# Altium PCB PexCardVer0.1.PcbDoc (part 2 of 3) (continued)
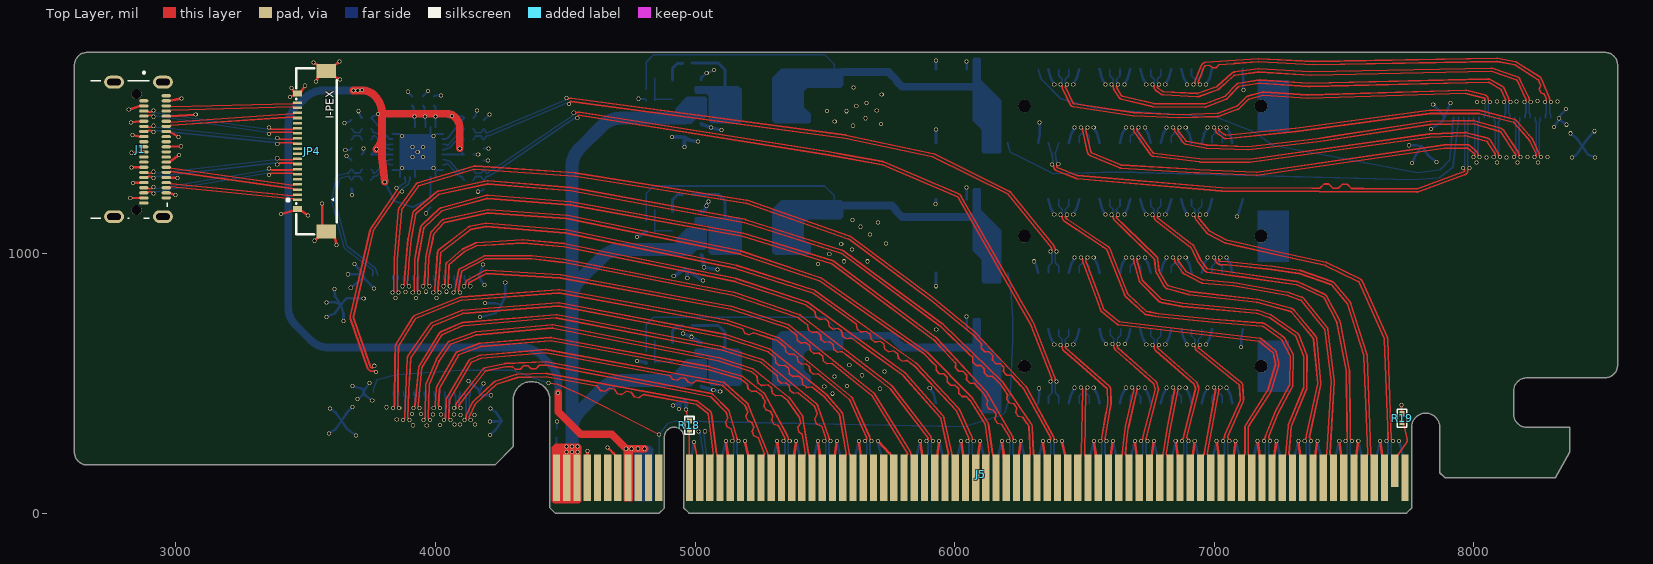
[diagram p0: Top Layer view]
## Nets (pads, with @x,y where several pads share a name; then routed paths per layer and width w, separated by ;. In a path a pad name is that pad's centre, name@x,y a point inside that pad or via, vN(x,y) a via of type N, cw(c..) or ccw(c..) an arc to the next point about the centre after c; other vN are vias at no path point) (continued)
  Bottom Layer w6.38: v1(4072.56,405.56) 4072.56,407.97 4078.57,413.98 4078.57,434.89 ; JP3.4@4074.95,466.5 4074.95,453.7 4078.61,450.06 4078.61,434.92 ; v1(5167.82,278.59) 5167.82,276.19 5161.8,270.17 5161.8,225.57 5175.3,212.08 J5.A17@5175.3,136.08
RX0_P: J5.A16 JP3.3 | length 1507.9
  Top Layer w6.38: v1(4096.96,405.31) 4092.83,409.55 cw(c4097.42,413.98) 4091.05,413.64 cw(c4097.42,413.98) 4091.04,414.05 cw(c4097.42,413.98) 4092.38,417.9 4193.05,547.25 4268.73,563.89 cw(c4270.1,557.66) 4269.8,564.03 4277.74,564.36 4295.72,565.1 4308.68,553.15 4326.67,553.89 4338.61,566.85 4356.59,567.59 4369.56,555.65 4387.54,556.39 4399.48,569.35 4416,570.03 4419.62,570.17 4425.27,570.41 4983.21,463.3 5060.47,448.47 5118.94,389.83 cw(c5114.42,385.32) 5120.53,387.15 5121.48,383.93 5126.52,366.65 5117.75,350.65 5122.79,333.37 5138.79,324.6 5145.98,299.99 5149.17,289.06 cw(c5143.04,287.27) 5147.57,282.77 v1(5143.41,278.59)
  Bottom Layer w6.38: 4090.95,429.76 4090.95,413.73 4096.96,407.72 v1(4096.96,405.31) ; 4090.99,429.8 4090.99,450.06 4094.64,453.7 JP3.3@4094.64,466.5 ; J5.A16@5135.93,136.08 5135.93,212.08 5149.42,225.57 5149.42,270.17 5143.41,276.19 v1(5143.41,278.59)
RX1_N: J5.A22 JP3.8 | length 1891.6
  Top Layer w6.38: v1(3993.82,405.56) 3998.01,409.69 ccw(c3993.54,414.24) 3999.92,414.17 ; 3999.92,414.21 cw(c4012.3,414.05) 3999.92,414.27 cw(c4018.68,413.98) 3999.95,415.04 4003.56,479.14 cw(c4022.3,478.18) 4005.95,487.38 4078.31,615.82 cw(c4089.1,609.75) 4084.7,621.32 4168.78,653.25 cw(c4175.44,635.72) 4173.75,654.4 cw(c4174.9,642.07) 4173.9,654.41 4443.2,676.26 cw(c4444.72,657.56) 4447.86,676.06 cw(c4445.83,663.85) 4448.07,676.02 5053.5,564.67 5054.41,564.5 5181.55,527.88 5184.39,525.69 5263.67,464.32 cw(c5252.18,449.48) 5268.6,458.57 cw(c5257.78,452.54) 5268.67,458.43 5356.4,296.19 cw(c5339.89,287.27) 5358.65,287.27 ccw(c5365.03,287.27) 5360.51,282.77 v1(5364.67,278.59)
  Bottom Layer w6.38: v1(3993.82,405.56) 3993.82,407.97 3999.83,413.98 3999.83,434.89 3999.86,450.06 3996.22,453.7 JP3.8@3996.22,466.5 ; v1(5364.67,278.59) 5364.67,276.19 5358.65,270.17 5358.65,225.57 5372.15,212.08 J5.A22@5372.15,136.08
RX1_P: J5.A21 JP3.7 | length 1883.2
  Top Layer w6.38: v1(4018.22,405.31) 4014.09,409.55 cw(c4018.68,413.98) 4012.3,414.05 cw(c4018.68,413.98) 4012.31,414.34 4015.92,478.48 cw(c4022.3,478.18) 4016.73,481.3 4089.1,609.75 4173.18,641.68 cw(c4175.44,635.72) 4174.9,642.07 4444.2,663.92 cw(c4444.72,657.56) 4445.83,663.85 5050.66,552.61 5051.57,552.44 5175.85,516.64 5178.69,514.45 5187.69,507.48 5201.92,496.46 5204.1,479.39 5218.33,468.37 5235.4,470.55 5251.08,458.4 5256.09,454.53 cw(c5252.18,449.48) 5257.78,452.54 5261.56,445.55 5270.13,429.72 5265.21,413.24 5273.78,397.4 5290.25,392.49 5299.67,375.08 5294.76,358.6 5303.32,342.77 5319.8,337.85 5340.94,298.75 5345.51,290.3 cw(c5339.89,287.27) 5344.42,282.77 v1(5340.26,278.59)
  Bottom Layer w6.38: 4012.21,429.76 4012.21,413.73 4018.22,407.72 v1(4018.22,405.31) ; 4012.24,429.8 4012.24,450.06 4015.89,453.7 JP3.7@4015.89,466.5 ; J5.A21@5332.78,136.08 5332.78,212.08 5346.27,225.57 5346.27,270.17 5340.26,276.19 v1(5340.26,278.59)
RX2_N: J5.A26 JP3.12 | length 2226.1
  Top Layer w6.38: v1(3915.08,405.56) v1@3919.27,409.69 ; v1@3919.28,409.7 ccw(c3914.8,414.24) 3921.18,414.17 ; 3921.18,414.21 cw(c3933.56,414.05) 3921.18,414.27 cw(c3939.94,413.98) 3921.27,415.85 3935.81,561.37 cw(c3948.13,560.15) 3937.54,566.56 cw(c3948.13,560.15) 3937.56,566.6 4014.72,692.81 cw(c4025.29,686.35) 4019.75,697.43 cw(c4025.29,686.35) 4020.29,697.68 4100.06,732.9 cw(c4107.64,715.73) 4105.83,734.41 cw(c4107.07,722.09) 4106.04,734.43 4464.14,764.25 cw(c4465.7,745.56) 4469,764.03 cw(c4466.87,751.83) 4469.22,763.99 5108.03,640.21 cw(c5104.46,621.79) 5109.92,639.74 cw(c5106.35,627.89) 5110.1,639.69 5256.61,593.14 cw(c5250.93,575.26) 5262.66,589.91 cw(c5254.95,580.22) 5262.81,589.78 5467.59,421.38 cw(c5455.67,406.89) 5473.29,413.35 cw(c5461.68,409.04) 5473.37,413.11 5515.09,293.45 cw(c5497.37,287.27) 5516.13,287.27 ccw(c5522.51,287.27) 5517.99,282.77 v1(5522.15,278.59)
  Bottom Layer w6.38: v1(3915.08,405.56) 3915.08,407.97 3921.09,413.98 3921.09,434.89 3921.12,450.06 3917.47,453.7 JP3.12@3917.47,466.5 ; v1(5522.15,278.59) 5522.15,276.19 5516.13,270.17 5516.13,225.57 5529.63,212.08 J5.A26@5529.63,136.08
RX2_P: J5.A25 JP3.11 | length 2221.7
  Top Layer w6.38: v1(3939.48,405.31) 3935.35,409.55 cw(c3939.94,413.98) 3933.56,414.05 cw(c3939.94,413.98) 3933.59,414.62 3948.13,560.15 4025.29,686.35 4105.06,721.57 cw(c4107.64,715.73) 4107.07,722.09 4465.17,751.92 cw(c4465.7,745.56) 4466.87,751.83 5105.68,628.06 cw(c5104.46,621.79) 5106.35,627.89 5252.86,581.35 cw(c5250.93,575.26) 5254.95,580.22 5302.64,541 5316.54,529.56 5318.25,512.07 5332.15,500.64 5349.65,502.34 5363.55,490.91 5365.26,473.41 5379.16,461.98 5396.65,463.68 5436.86,430.62 5459.73,411.81 cw(c5455.67,406.89) 5461.68,409.04 5464.99,399.53 5470.92,382.53 5460.9,361.8 5466.83,344.8 5487.57,334.78 5499.21,301.38 5503.4,289.37 cw(c5497.37,287.27) 5501.9,282.77 v1(5497.74,278.59)
  Bottom Layer w6.38: 3933.47,429.76 3933.47,413.73 3939.48,407.72 v1(3939.48,405.31) ; 3933.51,429.8 3933.51,450.06 3937.16,453.7 JP3.11@3937.16,466.5 ; J5.A25@5490.26,136.08 5490.26,212.08 5503.75,225.57 5503.75,270.17 5497.74,276.19 v1(5497.74,278.59)
RX3_N: J5.A30 JP3.16 | length 2582.5
  Top Layer w6.38: v1(3836.34,405.56) 3840.53,409.69 ccw(c3836.06,414.24) 3842.44,414.16 ; 3842.44,414.18 3844.35,594.16 cw(c3856.73,594.01) 3844.36,594.3 ; 3844.36,594.33 3845.58,640.59 cw(c3864.34,640.13) 3848.33,649.92 3912.36,754.66 cw(c3928.37,744.87) 3921.25,762.23 cw(c3925.98,750.79) 3921.4,762.29 4094.56,831.15 cw(c4101.49,813.71) 4099.85,832.4 cw(c4100.98,820.07) 4100.06,832.42 4474.3,860.28 cw(c4475.7,841.57) 4478.84,860.06 cw(c4476.8,847.85) 4479.02,860.03 5126.78,742.25 cw(c5123.43,723.79) 5129.28,741.62 cw(c5125.46,729.84) 5129.5,741.54 5321.95,675.07 cw(c5315.87,657.32) 5327.6,671.96 cw(c5319.88,662.28) 5327.71,671.87 5602.77,447.25 cw(c5590.91,432.72) 5607.98,440.5 cw(c5596.73,435.33) 5608.06,440.31 5672.03,294.82 cw(c5654.86,287.27) 5673.62,287.27 ccw(c5680,287.27) 5675.47,282.77 v1(5679.63,278.59)
  Bottom Layer w6.38: v1(3836.34,405.56) 3836.34,407.97 3842.35,413.98 3842.35,434.89 ; JP3.16@3838.74,466.5 3838.74,453.7 3842.39,450.06 3842.39,434.92 ; v1(5679.63,278.59) 5679.63,276.19 5673.62,270.17 5673.62,225.57 5687.11,212.08 J5.A30@5687.11,136.08
RX3_P: J5.A29 JP3.15 | length 2585
  Top Layer w6.38: 3854.82,414.07 ccw(c3861.2,413.98) 3856.61,409.55 v1(3860.74,405.31) ; 3854.82,414.09 3855.9,516.04 3856.73,594 3857.96,640.27 cw(c3864.34,640.13) 3858.89,643.46 3922.93,748.2 cw(c3928.37,744.87) 3925.98,750.79 4099.1,819.63 cw(c4101.49,813.71) 4100.98,820.07 4475.22,847.93 cw(c4475.7,841.57) 4476.8,847.85 5124.57,730.07 cw(c5123.43,723.79) 5125.46,729.84 5166.05,715.82 5183.06,709.94 5191.26,693.09 5208.27,687.22 5225.12,695.41 5291.2,672.59 5317.95,663.35 cw(c5315.87,657.32) 5319.88,662.28 5333.82,650.9 5347.76,639.51 5349.48,622.5 5363.42,611.12 5380.43,612.84 5394.37,601.45 5396.09,584.44 5410.03,573.05 5427.04,574.77 5440.99,563.39 5442.7,546.38 5456.64,534.99 5473.65,536.71 5493.61,520.42 5594.97,437.64 ; 5594.98,437.64 cw(c5590.91,432.72) 5596.73,435.33 5660.7,289.84 cw(c5654.86,287.27) 5659.38,282.77 v1(5655.22,278.59)
  Bottom Layer w6.38: 3854.73,429.76 3854.73,413.73 3860.74,407.72 v1(3860.74,405.31) ; 3854.76,429.8 3854.76,450.06 3858.41,453.7 JP3.15@3858.41,466.5 ; J5.A29@5647.74,136.08 5647.74,212.08 5661.24,225.57 5661.24,270.17 5655.22,276.19 v1(5655.22,278.59)
RX4_N: J5.A36 JP2.4 | length 2376.9
  Top Layer w6.38: v1(4070.49,850) 4074.64,854.18 ccw(c4070.12,858.68) 4076.5,858.68 cw(c4095.26,858.68) 4076.77,861.87 4089.12,933.23 cw(c4101.32,931.12) 4095.53,942.06 4186.56,990.18 cw(c4192.35,979.23) 4192.35,991.61 4371.09,991.61 ; 4371.14,991.61 cw(c4371.14,979.23) 4372.53,991.53 4461.2,981.5 4492.82,977.93 cw(c4491.38,965.63) 4493.69,977.79 ; 4493.74,977.79 5146.97,851.22 cw(c5143.4,832.8) 5149.21,850.64 cw(c5145.42,838.86) 5149.43,850.57 5402,764.04 cw(c5395.98,746.27) 5407.2,761.3 cw(c5399.84,751.35) 5407.41,761.15 5758.2,489.95 cw(c5746.68,475.15) 5761.35,486.83 cw(c5751.7,479.08) 5761.52,486.63 5905.95,298.7 cw(c5891.08,287.27) 5909.84,287.27 ccw(c5916.22,287.27) 5911.69,282.77 v1(5915.85,278.59)
  Bottom Layer w6.38: v1(4070.49,850) 4070.49,852.41 4076.5,858.42 4076.5,897.55 4072.85,901.21 JP2.4@4072.85,914 ; v1(5915.85,278.59) 5915.85,276.19 5909.84,270.17 5909.84,225.57 5923.33,212.08 J5.A36@5923.33,136.08
RX4_P: J5.A35 JP2.3 | length 2370
  Top Layer w6.38: v1(4094.89,850) 4090.72,854.19 cw(c4095.26,858.68) 4088.97,859.76 4101.32,931.12 4192.35,979.23 4371.14,979.23 4460.43,969.13 4491.38,965.63 5144.61,839.07 cw(c5143.4,832.8) 5145.42,838.86 5398.04,752.31 cw(c5395.98,746.27) 5399.84,751.35 5420.06,735.72 5434.3,724.71 5436.61,706.67 5450.85,695.66 5468.89,697.97 5483.13,686.96 5485.44,668.92 5499.68,657.91 5517.72,660.22 5531.96,649.21 5534.27,631.17 5548.51,620.16 5566.55,622.47 5582.4,610.22 5750.58,480.2 cw(c5746.68,475.15) 5751.7,479.08 5896.13,291.16 cw(c5891.08,287.27) 5895.6,282.77 v1(5891.44,278.59)
  Bottom Layer w6.38: JP2.3@4092.53,914 4092.53,901.21 4088.88,897.55 4088.88,858.42 4094.89,852.41 v1(4094.89,850) ; J5.A35@5883.96,136.08 5883.96,212.08 5897.46,225.57 5897.46,270.17 5891.44,276.19 v1(5891.44,278.59)
RX5_N: J5.A40 JP2.8 | length 2754.7
  Top Layer w6.38: v1(3991.75,850) 3995.9,854.18 ccw(c3991.38,858.68) 3997.76,858.68 cw(c4016.52,858.68) 3997.81,860.02 4008.21,1004.77 ; 4008.21,1004.79 cw(c4020.56,1003.89) 4013,1013.69 4127.58,1102.08 cw(c4135.14,1092.28) 4132.8,1104.43 4192.83,1115.99 cw(c4196.37,1097.57) 4197.76,1116.28 cw(c4196.87,1103.93) 4197.88,1116.27 4501.66,1091.36 cw(c4500.13,1072.66) 4503.72,1091.08 cw(c4501.39,1078.92) 4503.92,1091.04 5159.24,954.18 cw(c5155.4,935.81) 5160.95,953.73 cw(c5157.32,941.9) 5161.09,953.69 5459.85,858.07 cw(c5454.14,840.2) 5464.86,855.59 cw(c5457.82,845.41) 5465.04,855.47 5850.74,578.39 cw(c5839.8,563.15) 5853.32,576.15 cw(c5844.43,567.54) 5853.47,576 6016.45,401.86 cw(c6002.8,389) 6019.8,396.93 cw(c6008.6,391.65) 6019.89,396.73 6065.66,294.97 cw(c6048.56,287.27) 6067.32,287.27 ccw(c6073.7,287.27) 6069.17,282.77 v1(6073.33,278.59)
  Bottom Layer w6.38: v1(3991.75,850) 3991.75,852.41 3997.76,858.42 3997.76,897.55 3994.11,901.21 JP2.8@3994.11,914 ; v1(6073.33,278.59) 6073.33,276.19 6067.32,270.17 6067.32,225.57 6080.81,212.08 J5.A40@6080.81,136.08
RX5_P: J5.A39 JP2.7 | length 2761.5
  Top Layer w6.38: v1(4016.15,850) 4011.98,854.19 cw(c4016.52,858.68) 4010.16,859.13 4020.56,1003.89 4135.14,1092.28 4195.17,1103.83 cw(c4196.37,1097.57) 4196.87,1103.93 4500.65,1079.02 cw(c4500.13,1072.66) 4501.39,1078.92 5156.71,942.06 cw(c5155.4,935.81) 5157.32,941.9 5456.08,846.28 cw(c5454.14,840.2) 5457.82,845.41 5606.76,738.41 5621.38,727.91 5624.62,708.18 5639.23,697.68 5658.97,700.91 5675.05,689.36 5678.28,669.62 5692.9,659.12 5712.64,662.36 5727.26,651.86 5730.49,632.12 5745.11,621.62 5764.84,624.85 5780.92,613.3 5783.83,595.58 5798.45,585.08 5816.16,587.99 5816.23,587.93 5830.78,577.48 5843.52,568.33 cw(c5839.8,563.15) 5844.43,567.54 6007.46,393.35 cw(c6002.8,389) 6008.6,391.65 6054.37,289.89 cw(c6048.56,287.27) 6053.08,282.77 v1(6048.92,278.59)
  Bottom Layer w6.38: JP2.7@4013.79,914 4013.79,901.21 4010.14,897.55 4010.14,858.42 4016.15,852.41 v1(4016.15,850) ; J5.A39@6041.44,136.08 6041.44,212.08 6054.94,225.57 6054.94,270.17 6048.92,276.19 v1(6048.92,278.59)
RX6_N: J5.A44 JP2.12 | length 3125.6
  Top Layer w6.38: v1(3913.01,850) 3917.16,854.18 ccw(c3912.64,858.68) 3919.02,858.68 cw(c3937.78,858.68) 3919.02,858.93 3920.59,976.53 cw(c3932.96,976.37) 3920.77,978.53 cw(c3932.96,976.37) 3920.78,978.58 3942.5,1098.2 cw(c3960.96,1094.85) 3947.97,1108.39 cw(c3956.56,1099.47) 3948.07,1108.48 4015.38,1171.91 cw(c4028.25,1158.27) 4023.31,1176.37 4196.72,1223.65 cw(c4201.65,1205.55) 4202.88,1224.27 cw(c4202.11,1211.91) 4203.07,1224.26 4520.67,1199.36 cw(c4519.2,1180.66) 4522.42,1199.14 cw(c4520.32,1186.94) 4522.54,1199.12 5184.91,1078.23 cw(c5181.54,1059.77) 5186.75,1077.8 cw(c5183.36,1065.89) 5186.98,1077.73 5528.61,973.13 cw(c5523.11,955.19) 5534.1,970.4 cw(c5526.89,960.34) 5534.29,970.26 5925.96,678.24 cw(c5914.75,663.2) 5928.32,676.15 cw(c5919.39,667.58) 5928.45,676.02 6120.75,469.66 cw(c6107.02,456.87) 6123.12,466.5 cw(c6112.51,460.11) 6123.2,466.36 6222.27,296.68 ; 6222.27,296.67 cw(c6206.04,287.27) 6224.8,287.27 ccw(c6231.18,287.27) 6226.65,282.77 v1(6230.81,278.59)
  Bottom Layer w6.38: v1(3913.01,850) 3913.01,852.41 3919.02,858.42 3919.02,897.55 3915.37,901.21 JP2.12@3915.37,914 ; v1(6230.81,278.59) 6230.81,276.19 6224.8,270.17 6224.8,225.57 6238.29,212.08 J5.A44@6238.29,136.08
RX6_P: J5.A43 JP2.11 | length 3128.1
  Top Layer w6.38: v1(3937.41,850) 3933.24,854.19 cw(c3937.78,858.68) 3931.4,858.76 3932.79,963.2 3932.96,976.37 3954.68,1095.99 cw(c3960.96,1094.85) 3956.56,1099.47 4023.87,1162.91 cw(c4028.25,1158.27) 4026.58,1164.43 4199.97,1211.7 cw(c4201.65,1205.55) 4202.11,1211.91 4519.7,1187.02 cw(c4519.2,1180.66) 4520.32,1186.94 5182.67,1066.05 cw(c5181.54,1059.77) 5183.36,1065.89 5524.98,961.29 cw(c5523.11,955.19) 5526.89,960.34 5918.53,668.34 cw(c5914.75,663.2) 5919.39,667.58 5991.64,590.05 6003.91,576.88 6003.3,559.67 6015.57,546.5 6032.78,545.89 6046.28,531.41 6045.67,514.19 6057.95,501.03 6075.16,500.42 6089.28,485.26 6111.69,461.22 cw(c6107.02,456.87) 6112.51,460.11 6118.42,450 6127.49,434.45 6122.89,416.91 6131.96,401.37 6149.5,396.76 6159.48,379.66 6154.87,362.12 6163.95,346.58 6181.49,341.97 6205.77,300.37 6211.55,290.49 cw(c6206.04,287.27) 6210.56,282.77 v1(6206.4,278.59)
  Bottom Layer w6.38: JP2.11@3935.05,914 3935.05,901.21 3931.4,897.55 3931.4,858.42 3937.41,852.41 v1(3937.41,850) ; J5.A43@6198.92,136.08 6198.92,212.08 6212.42,225.57 6212.42,270.17 6206.4,276.19 v1(6206.4,278.59)
RX7_N: J5.A48 JP2.16 | length 3508.5
  Top Layer w6.38: v1(3834.27,850) 3838.42,854.18 ccw(c3833.9,858.68) 3840.28,858.68 cw(c3859.04,858.68) 3840.28,858.8 3841.09,976.89 cw(c3853.47,976.79) 3841.13,977.8 cw(c3853.47,976.79) 3841.13,977.85 3857.52,1167.35 cw(c3876.21,1165.74) 3860.89,1176.57 3923.65,1265.36 cw(c3938.97,1254.53) 3933.41,1272.45 cw(c3937.1,1260.63) 3933.54,1272.49 4146.36,1336.52 cw(c4151.77,1318.55) 4152.8,1337.28 cw(c4152.16,1324.92) 4153.03,1337.27 4538.63,1310.36 cw(c4537.32,1291.65) 4540.01,1310.21 cw(c4538.28,1297.95) 4540.23,1310.18 5198.43,1205.3 cw(c5195.48,1186.77) 5201.4,1204.57 cw(c5197.54,1192.81) 5201.61,1204.5 5596.18,1066.99 cw(c5590.01,1049.27) 5601.01,1064.47 cw(c5593.78,1054.42) 5601.17,1064.35 5916.3,829.99 cw(c5905.11,814.94) 5916.81,829.6 cw(c5909.12,819.9) 5916.98,829.47 6078.57,696.79 cw(c6066.66,682.3) 6080.16,695.33 cw(c6071.29,686.69) 6080.32,695.16 6274.63,487.77 cw(c6260.94,474.94) 6277.26,484.2 cw(c6266.52,478.05) 6277.38,483.99 6379.98,296.27 cw(c6363.52,287.27) 6382.28,287.27 ccw(c6388.66,287.27) 6384.14,282.77 v1(6388.29,278.59)
  Bottom Layer w6.38: v1(3834.27,850) 3834.27,852.41 3840.28,858.42 3840.28,897.55 3836.63,901.21 JP2.16@3836.63,914 ; v1(6388.29,278.59) 6388.29,276.19 6382.28,270.17 6382.28,225.57 6395.77,212.08 J5.A48@6395.77,136.08
RX7_P: J5.A47 JP2.15 | length 3499.9
  Top Layer w6.38: v1(3858.67,850) 3854.5,854.19 cw(c3859.04,858.68) 3852.66,858.72 3853.38,964.23 3853.47,976.78 3869.86,1166.29 cw(c3876.21,1165.74) 3871,1169.42 3933.76,1258.21 cw(c3938.97,1254.53) 3937.1,1260.63 4149.93,1324.66 cw(c4151.77,1318.55) 4152.16,1324.92 4537.77,1298.01 cw(c4537.32,1291.65) 4538.28,1297.95 5196.49,1193.07 cw(c5195.48,1186.77) 5197.54,1192.81 5592.11,1055.3 cw(c5590.01,1049.27) 5593.78,1054.42 5908.91,820.06 cw(c5905.11,814.94) 5909.12,819.9 6070.71,687.23 cw(c6066.66,682.3) 6071.29,686.69 6091.17,665.47 6103.48,652.33 6102.92,635.11 6115.23,621.98 6132.45,621.41 6145.99,606.97 6145.43,589.74 6157.73,576.61 6174.96,576.05 6188.49,561.6 6187.93,544.38 6200.24,531.24 6217.46,530.68 6256.74,488.76 6257.27,488.19 6265.57,479.33 cw(c6260.94,474.94) 6266.52,478.05 6369.11,290.33 cw(c6363.52,287.27) 6368.04,282.77 v1(6363.88,278.59)
  Bottom Layer w6.38: JP2.15@3856.31,914 3856.31,901.21 3852.66,897.55 3852.66,858.42 3858.67,852.41 v1(3858.67,850) ; J5.A47@6356.4,136.08 6356.4,212.08 6369.9,225.57 6369.9,270.17 6363.88,276.19 v1(6363.88,278.59)
RX8_N: J2.B15 J5.A53 | length 672.3
  Top Layer w6.38: v1(6432.31,648.32) 6428.15,644.15 ccw(c6432.67,639.64) 6426.36,638.71 ccw(c6432.67,639.64) 6428.48,634.84 6483.18,587.06 6596.18,488.36 cw(c6588.08,479) 6596.44,488.13 ; v1(6585.14,278.59) 6580.99,282.77 cw(c6585.51,287.27) 6579.21,288.32 6579.61,290.67 6595.25,384.12 ; 6595.25,384.13 6601.85,421.16 ccw(c6589.66,423.33) 6601.88,421.31 ccw(c6583.38,424.42) 6602.13,424.96 6600.45,479.38 ccw(c6588.08,479) 6596.46,488.12
  Bottom Layer w6.38: v1(6432.31,648.32) 6432.31,650.73 6426.29,656.74 6426.29,668.65 6439.79,682.14 J2.B15@6439.79,707.73 ; v1(6585.14,278.59) 6585.14,276.19 6579.13,270.17 6579.13,225.57 6592.62,212.08 J5.A53@6592.62,136.08
RX8_P: J2.B14 J5.A52 | length 673.5
  Top Layer w6.38: v1(6407.9,648.32) 6412.05,644.15 cw(c6407.53,639.64) 6413.91,639.64 ccw(c6432.67,639.64) 6414.12,636.89 ccw(c6432.67,639.64) 6420.33,625.52 6475.99,576.9 6588.08,479 6589.75,424.61 cw(c6583.38,424.42) 6589.66,423.33 6583.06,386.31 ; v1@6556.8,281 v1@6557.69,281.84 ; v1(6560.73,278.59) 6564.89,282.77 ccw(c6560.37,287.27) 6566.75,287.27 cw(c6585.51,287.27) 6567,290.37 6583.04,386.18 cw(c6595.25,384.13) 6583.06,386.27
  Bottom Layer w6.38: J2.B14@6400.42,707.73 6400.42,682.14 6413.91,668.65 6413.91,656.74 6407.9,650.73 v1(6407.9,648.32) ; J5.A52@6553.25,136.08 6553.25,212.08 6566.75,225.57 6566.75,270.17 6560.73,276.19 v1(6560.73,278.59)
RX9_N: J2.B20 J5.A57 | length 670.1
  Top Layer w6.38: v1(6631.68,651.05) 6627.53,646.88 ccw(c6632.05,642.38) 6627.82,637.6 6775.15,506.95 cw(c6766.94,497.69) 6778.01,503.23 cw(c6766.94,497.69) 6778.81,501.21 ; v1(6742.62,278.59) 6738.47,282.77 cw(c6742.99,287.27) 6736.81,288.88 6737.21,290.4 6784.48,472.03 ccw(c6766.37,476.92) 6784.46,481.89 ccw(c6772.51,478.66) 6784.39,482.14 6778.82,501.17
  Bottom Layer w6.38: v1(6631.68,651.05) 6631.68,653.46 6625.67,659.48 6625.67,671.38 6639.17,684.87 J2.B20@6639.17,710.46 ; v1(6742.62,278.59) 6742.62,276.19 6736.61,270.17 6736.61,225.57 6750.1,212.08 J5.A57@6750.1,136.08
RX9_P: J2.B19 J5.A56 | length 670.1
  Top Layer w6.38: v1(6607.28,651.05) 6611.43,646.88 cw(c6606.91,642.38) 6613.29,642.38 ccw(c6632.05,642.38) 6619.6,628.34 6766.94,497.69 6772.51,478.66 cw(c6766.37,476.92) 6772.53,475.25 ccw(c6784.49,472.05) 6772.51,475.16 6724.83,292 ccw(c6742.99,287.27) 6724.23,287.27 cw(c6717.85,287.27) 6722.37,282.77 v1(6718.21,278.59)
  Bottom Layer w6.38: J2.B19@6599.8,710.46 6599.8,684.87 6613.29,671.38 6613.29,659.48 6607.28,653.46 v1(6607.28,651.05) ; J5.A56@6710.73,136.08 6710.73,212.08 6724.23,225.57 6724.23,270.17 6718.21,276.19 v1(6718.21,278.59)
RX10_N: J2.B24 J5.A61 | length 665.9
  Top Layer w6.38: v1(6786.64,648.32) 6782.48,644.15 ccw(c6787,639.64) 6782.8,634.84 6930.9,505.27 cw(c6922.77,495.93) 6934.54,499.79 6939.2,485.56 cw(c6927.44,481.7) 6939.27,485.37 cw(c6921.37,479.75) 6939.56,475.18 6894.28,294.66 ccw(c6900.47,293.11) 6896.1,288.45 v1@6903.15,281.84
  Bottom Layer w6.38: v1(6786.64,648.32) 6786.64,650.73 6780.62,656.74 6780.62,668.65 6794.12,682.14 J2.B24@6794.12,707.73 ; v1(6900.1,278.59) 6900.1,276.19 6894.09,270.17 6894.09,225.57 6907.58,212.08 J5.A61@6907.58,136.08
RX10_P: J2.B23 J5.A60 | length 667.1
  Top Layer w6.38: v1(6762.23,648.32) 6766.38,644.15 cw(c6761.86,639.64) 6768.24,639.64 ccw(c6787,639.64) 6774.65,625.53 6922.77,495.93 6927.44,481.7 cw(c6921.37,479.75) 6927.56,478.2 6882.27,297.67 ccw(c6900.47,293.11) 6881.71,293.11 cw(c6875.33,293.11) 6879.7,288.46 6872.65,281.84 v1@6871.76,281
  Bottom Layer w6.38: J2.B23@6754.75,707.73 6754.75,682.14 6768.24,668.65 6768.24,656.74 6762.23,650.73 v1(6762.23,648.32) ; J5.A60@6868.21,136.08 6868.21,212.08 6881.71,225.57 6881.71,270.17 6875.69,276.19 v1(6875.69,278.59)
RX11_N: J2.B28 J5.A65 | length 684.8
  Top Layer w6.38: v1(6944.12,648.32) 6939.96,644.15 ccw(c6944.48,639.64) 6940.49,634.67 7102.66,504.43 cw(c7094.9,494.78) 7102.9,504.23 ; v1@7061.52,281 7060.63,281.84 7053.58,288.45 cw(c7057.95,293.11) 7052.1,295.66 7110.74,429.58 ccw(c7093.55,437.1) 7112.3,437.85 ccw(c7099.93,437.4) 7112.29,438.06 7109.48,490.94 ccw(c7090.74,489.94) 7103.07,504.08 ccw(c7094.9,494.78) 7102.92,504.22
  Bottom Layer w6.38: v1(6944.12,648.32) 6944.12,650.73 6938.1,656.74 6938.1,668.65 6951.6,682.14 J2.B28@6951.6,707.73 ; v1(7057.58,278.59) 7057.58,276.19 7051.57,270.17 7051.57,225.57 7065.06,212.08 J5.A65@7065.06,136.08
RX11_P: J2.B27 J5.A64 | length 680.7
  Top Layer w6.38: v1(6919.71,648.32) 6923.86,644.15 cw(c6919.34,639.64) 6925.72,639.64 ccw(c6944.48,639.64) 6932.74,625.02 7094.9,494.78 cw(c7090.74,489.94) 7097.11,490.28 7099.93,437.4 ; v1@7030.13,281.84 7037.18,288.45 ccw(c7032.81,293.11) 7039.19,293.11 cw(c7057.95,293.11) 7040.76,300.63 7099.4,434.54
  Bottom Layer w6.38: J2.B27@6912.23,707.73 6912.23,682.14 6925.72,668.65 6925.72,656.74 6919.71,650.73 v1(6919.71,648.32) ; J5.A64@7025.69,136.08 7025.69,212.08 7039.19,225.57 7039.19,270.17 7033.17,276.19 v1(7033.17,278.59)
RX12_N: J3.B15 J5.A69 | length 1706.7
  Top Layer w6.38: v1(6432.31,1149.32) 6428.15,1145.15 ccw(c6432.67,1140.64) 6429.11,1135.35 6432.87,1132.83 6577.34,1035.79 6592.11,1025.87 cw(c6585.22,1015.58) 6596.74,1020.11 6652.8,877.75 6665.88,844.51 6739.17,776.92 6752.16,774.49 6785.24,768.3 6996.32,747.04 7185.27,732.43 cw(c7183.82,713.73) 7194.27,729.31 cw(c7187.44,718.99) 7194.57,729.1 7260.73,682.43 7267.32,677.78 cw(c7260.19,667.67) 7271.18,673.36 7303.14,611.71 cw(c7292.15,606.02) 7304.53,606.02 cw(c7292.15,606.02) 7304.53,605.8 7302.5,494.2 cw(c7283.75,494.54) 7300.34,485.78 cw(c7289.37,491.53) 7300.26,485.63 7243.98,381.8 ccw(c7249.59,378.75) 7243.66,381.12 7209.5,295.47 ccw(c7215.43,293.11) 7211.06,288.45 7218.11,281.84 v1@7219,281
  Bottom Layer w6.38: v1(6432.31,1149.32) 6432.31,1151.73 6426.29,1157.74 6426.29,1169.65 6439.79,1183.14 J3.B15@6439.79,1208.73 ; v1(7215.06,278.59) 7215.06,276.19 7209.05,270.17 7209.05,225.57 7222.54,212.08 J5.A69@7222.54,136.08
RX12_P: J3.B14 J5.A68 | length 1706.7
  Top Layer w6.38: v1(6407.9,1149.32) 6412.05,1145.15 cw(c6407.53,1140.64) 6413.91,1140.64 ccw(c6432.67,1140.64) 6422.21,1125.07 6570.85,1025.23 6585.22,1015.58 6654.34,840.03 ; 6654.34,840.02 ccw(c6665.88,844.51) 6657.47,835.42 6730.79,767.81 ccw(c6739.17,776.92) 6736.85,764.76 ; 6736.89,764.75 6746.2,763.01 6782.97,756.12 ; 6782.97,756.13 ccw(c6785.24,768.3) 6783.96,755.98 ; 6784,755.98 6995.07,734.72 ; 6995.12,734.72 ccw(c6996.31,747.04) 6995.41,734.69 7184.31,720.09 cw(c7183.82,713.73) 7187.44,718.99 7255.13,671.23 7260.19,667.67 7292.15,606.02 7290.13,494.42 cw(c7283.75,494.54) 7289.37,491.53 7233.11,387.73 ; v1@7186.72,281 7187.61,281.84 7194.66,288.45 ccw(c7190.29,293.11) 7196.67,293.11 cw(c7215.43,293.11) 7198,300.05 7232.16,385.7 cw(c7249.59,378.75) 7233.11,387.72
  Bottom Layer w6.38: J3.B14@6400.42,1208.73 6400.42,1183.14 6413.91,1169.65 6413.91,1157.74 6407.9,1151.73 v1(6407.9,1149.32) ; J5.A68@7183.17,136.08 7183.17,212.08 7196.67,225.57 7196.67,270.17 7190.65,276.19 v1(7190.65,278.59)
RX13_N: J3.B20 J5.A73 | length 1606.7
  Top Layer w6.38: v1(6629.16,1149.32) 6625,1145.15 ccw(c6629.52,1140.64) 6625.07,1136.07 6657.49,1104.54 6778.42,986.89 cw(c6769.82,977.98) 6778.55,986.76 cw(c6769.82,977.98) 6782.12,979.4 cw(c6769.82,977.98) 6782.13,979.34 6787.15,933.76 ccw(c6793.49,934.46) 6788.01,931.2 6818.69,879.22 ccw(c6824.17,882.49) 6822.46,876.34 6902.52,854.13 ; 6902.55,854.13 ccw(c6904.22,860.28) 6903.51,853.94 7164.52,824.05 cw(c7163.12,811.75) 7164.66,824.04 cw(c7162.37,805.42) 7167.31,823.52 7297.26,788.48 cw(c7294.04,776.53) 7297.44,788.43 cw(c7292.34,770.38) 7306.8,782.34 7390.28,681.41 cw(c7380.74,673.52) 7390.41,681.26 cw(c7375.8,669.48) 7394.48,671.21 7410.24,501.08 cw(c7397.91,499.93) 7410.25,500.92 cw(c7391.56,499.37) 7409.9,495.43 7366.67,294.45 ccw(c7372.91,293.11) 7368.54,288.45 v1@7375.59,281.84
  Bottom Layer w6.38: v1(6629.16,1149.32) 6629.16,1151.73 6623.14,1157.74 6623.14,1169.65 6636.64,1183.14 J3.B20@6636.64,1208.73 ; v1(7372.54,278.59) 7372.54,276.19 7366.53,270.17 7366.53,225.57 7380.02,212.08 J5.A73@7380.02,136.08
RX13_P: J3.B19 J5.A72 | length 1606.7
  Top Layer w6.38: v1(6604.75,1149.32) 6608.9,1145.15 cw(c6604.38,1140.64) 6610.76,1140.64 ccw(c6629.52,1140.64) 6616.44,1127.2 6649.62,1094.92 6769.82,977.98 6774.84,932.41 ccw(c6793.49,934.46) 6777.36,924.89 6808.03,872.92 ccw(c6818.69,879.22) 6808.09,872.83 ccw(c6824.17,882.49) 6819.15,864.41 6899.21,842.2 ccw(c6904.22,860.28) 6902.1,841.64 7163.12,811.75 cw(c7162.37,805.42) 7163.98,811.59 7294.04,776.53 cw(c7292.34,770.38) 7297.26,774.44 7380.74,673.52 cw(c7375.8,669.48) 7382.15,670.07 7397.91,499.93 cw(c7391.56,499.37) 7397.8,498.03 7354.57,297.05 ccw(c7372.91,293.11) 7354.15,293.11 cw(c7347.77,293.11) 7352.14,288.46 v1@7345.09,281.84
  Bottom Layer w6.38: J3.B19@6597.27,1208.73 6597.27,1183.14 6610.76,1169.65 6610.76,1157.74 6604.75,1151.73 v1(6604.75,1149.32) ; J5.A72@7340.65,136.08 7340.65,212.08 7354.15,225.57 7354.15,270.17 7348.13,276.19 v1(7348.13,278.59)